# KiCad board access-controller.kicad_pcb
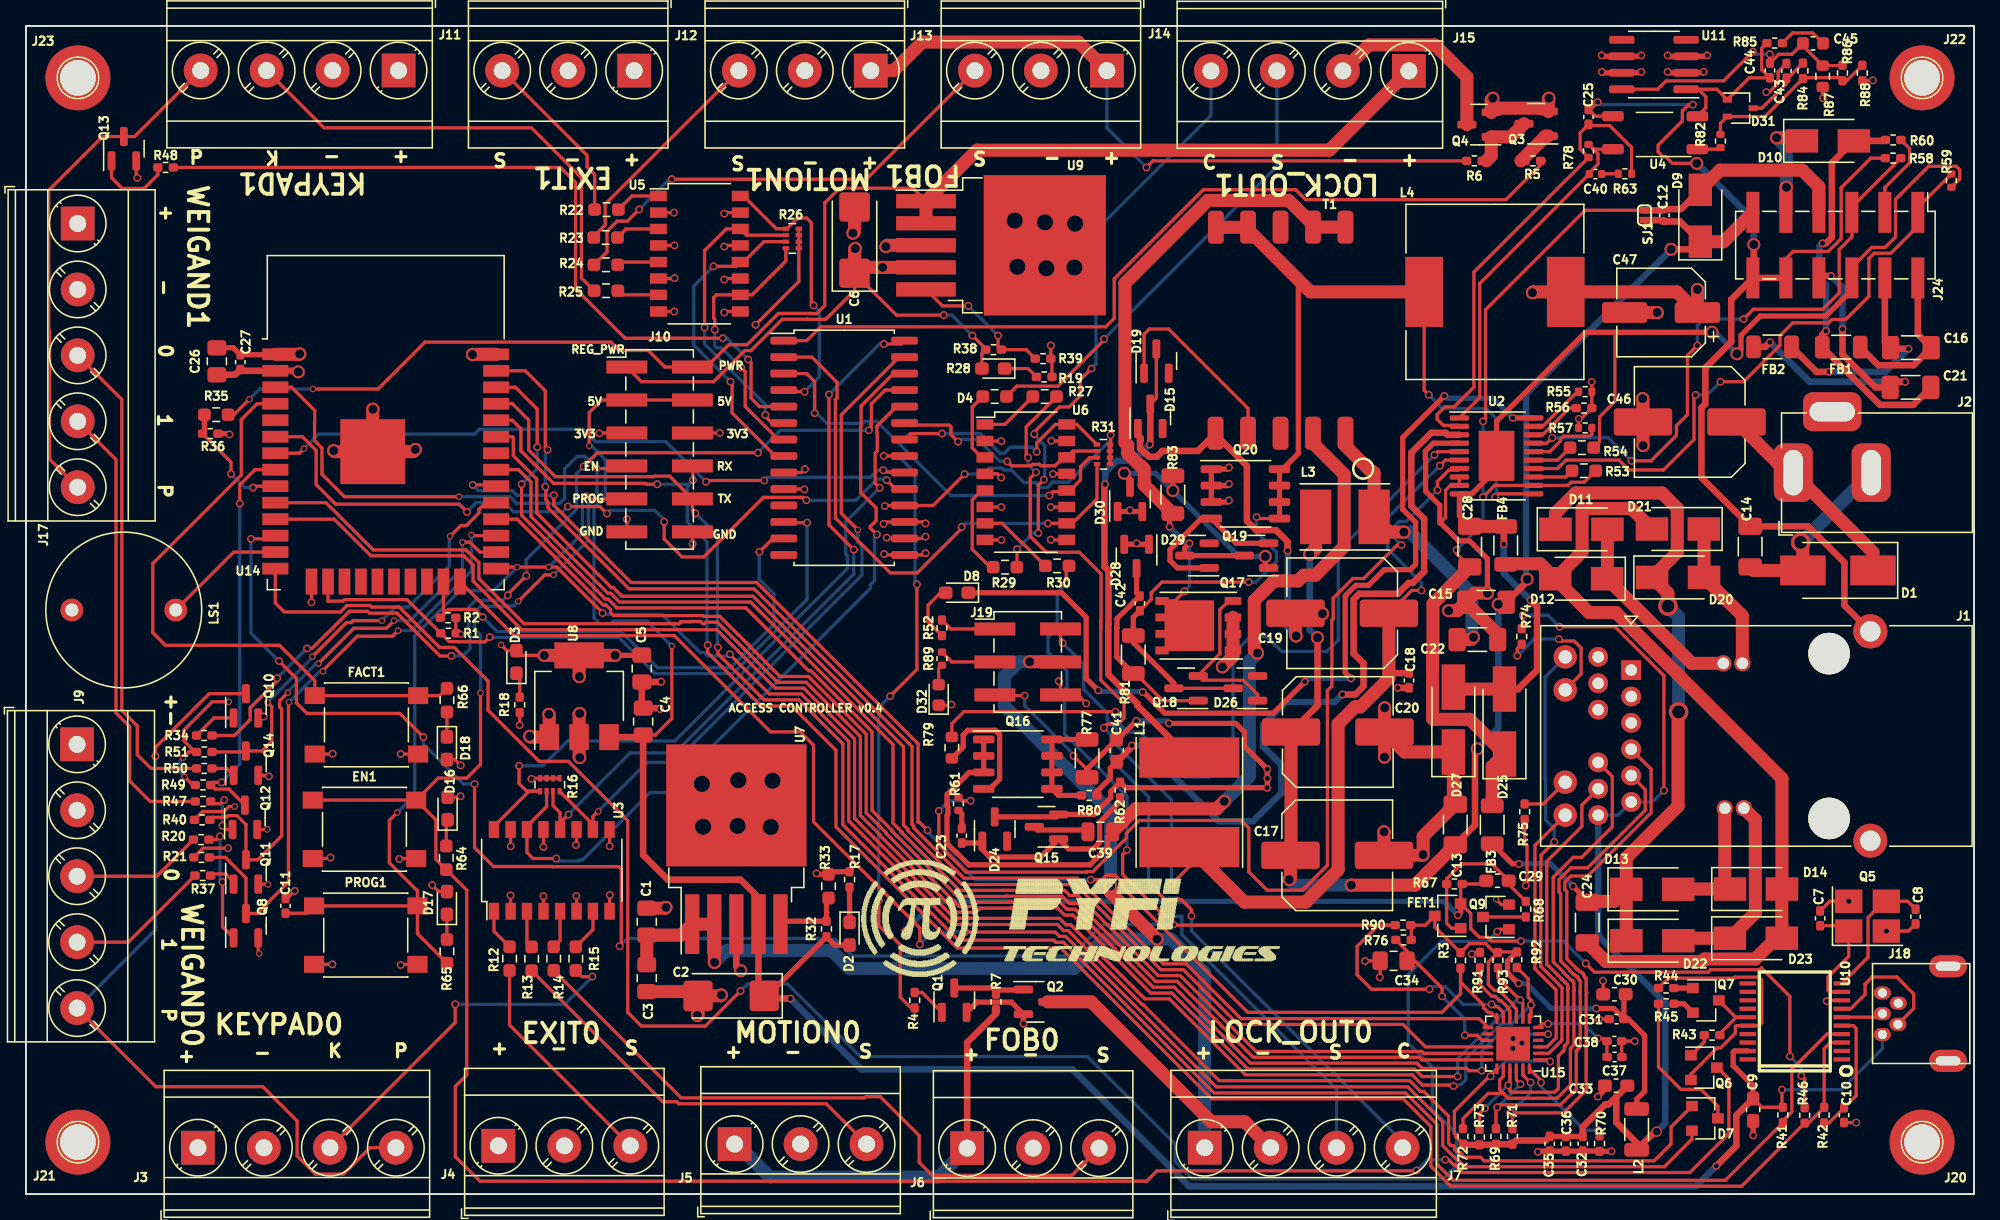
[diagram p0: board, top side]
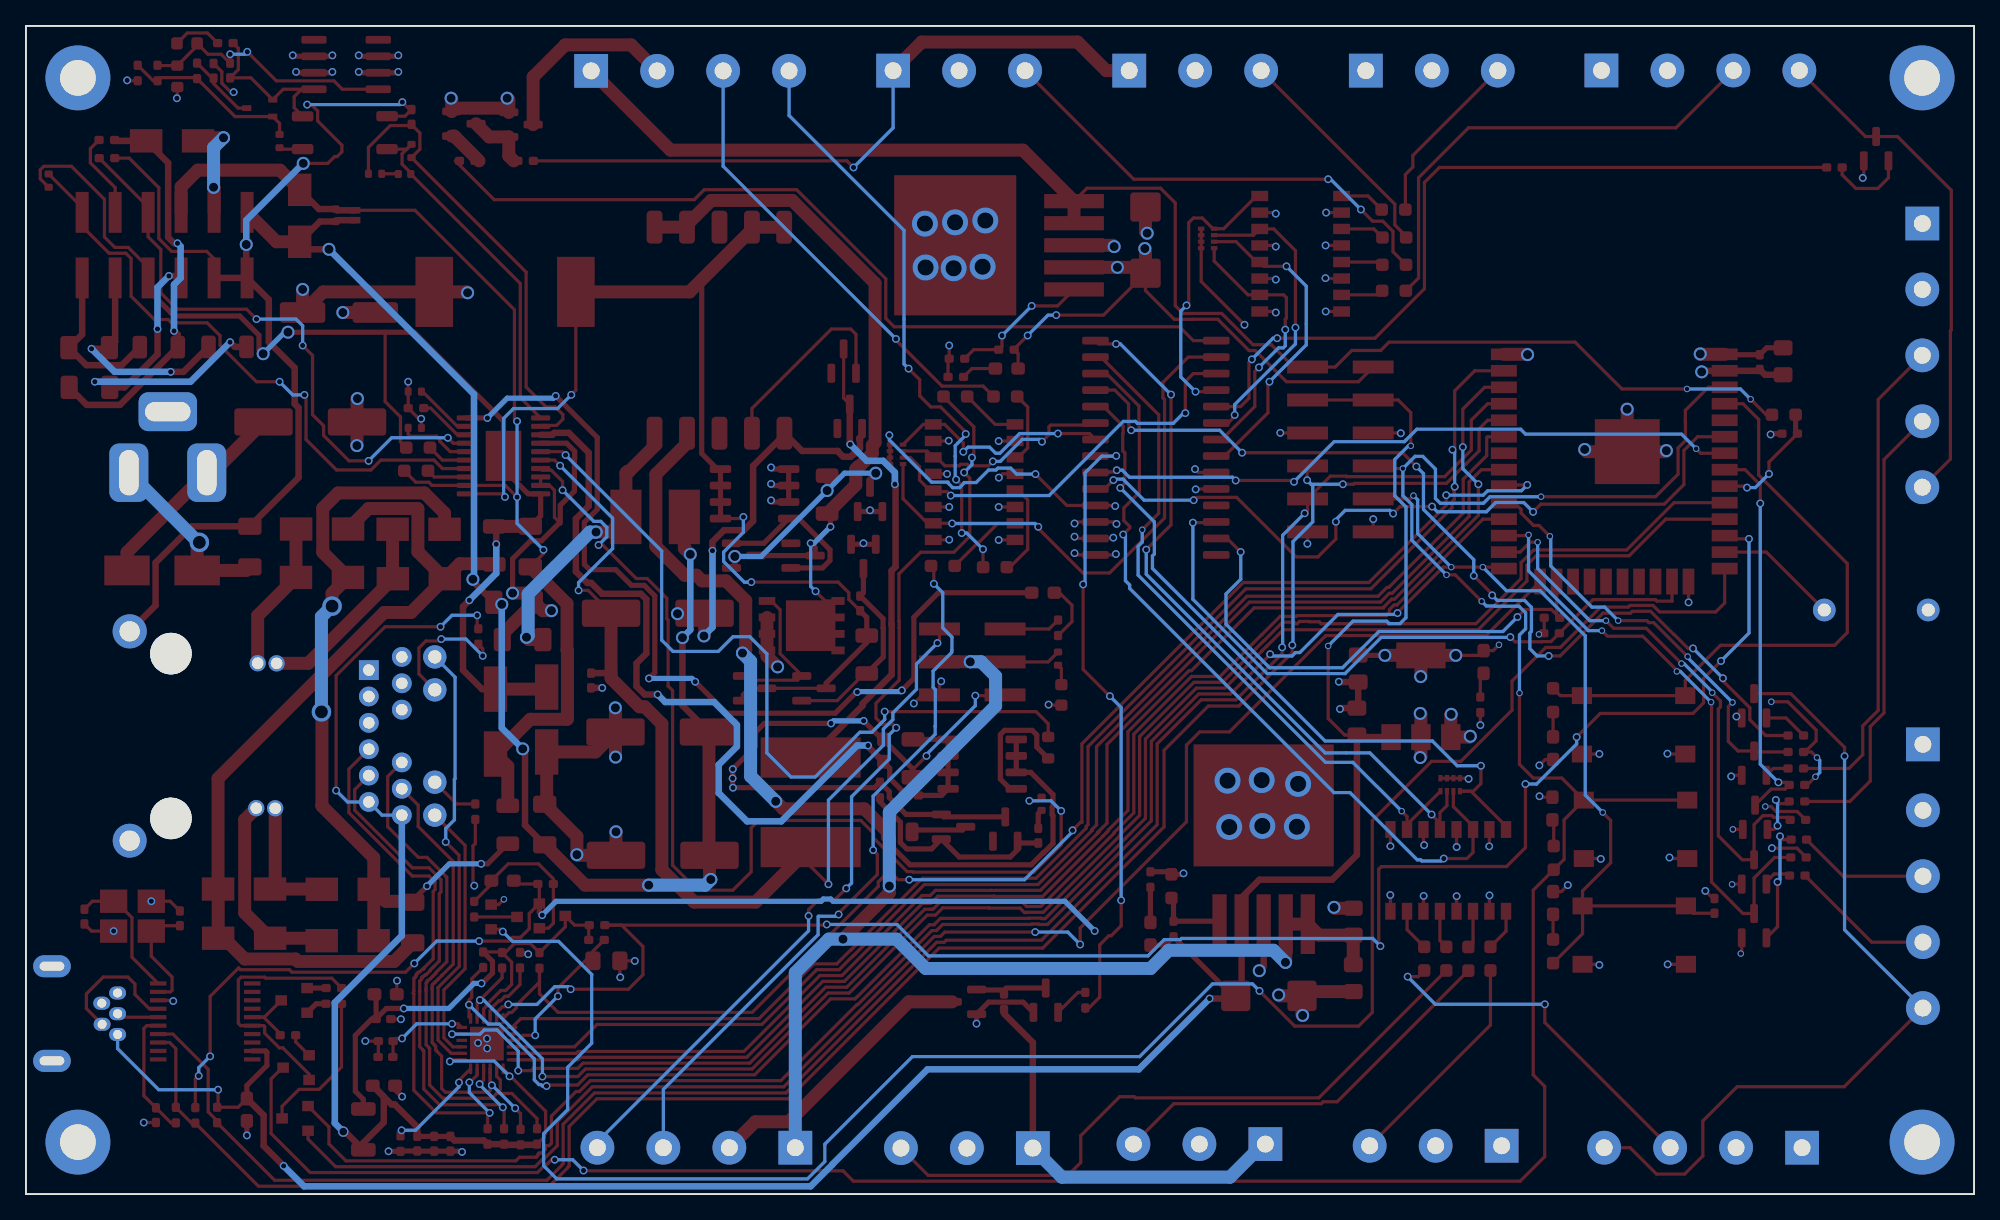
[diagram p1: board, bottom side, seen from below]

Outline 150 x 90 mm; copper layers: Top, In1.Cu (plane), In2.Cu (plane), Bottom. Coordinates in mm from the lower left corner of the outline.
Outline path: 0,90 0,0 150,0 150,90 0,90

## Placement (name value [footprint] x y rotation side)
C1  C_10uF  [C_0805_2012Metric_Pad1.18x1.45mm_HandSolder]  47.8 20.98 90 top
C2  C_10uF_Ta  [CP_EIA-6032-15_Kemet-U_Pad2.25x2.35mm_HandSolder]  54.3 15.27 180 top
C3  C_10uF  [C_0805_2012Metric_Pad1.18x1.45mm_HandSolder]  47.8 16.64 270 top
C4  C_10uF  [C_0805_2012Metric_Pad1.18x1.45mm_HandSolder]  47.52 36.4 90 top
C5  C_10uF  [C_0805_2012Metric_Pad1.18x1.45mm_HandSolder]  47.42 40.49 270 top
C6  C_10uF_Ta  [CP_EIA-6032-15_Kemet-U_Pad2.25x2.35mm_HandSolder]  63.8 73.5 90 top
C7  C_27pF_0402  [C_0402_1005Metric_Pad0.74x0.62mm_HandSolder]  138.15 21.24 90 top
C8  C_27pF_0402  [C_0402_1005Metric_Pad0.74x0.62mm_HandSolder]  145.5 21.38 270 top
C9  C_22uF  [C_0603_1608Metric_Pad1.08x0.95mm_HandSolder]  132.99 6.5 270 top
C10  C_100nF_0402  [C_0402_1005Metric_Pad0.74x0.62mm_HandSolder]  139.99 6.08 270 top
C11  C_1uF  [C_0402_1005Metric_Pad0.74x0.62mm_HandSolder]  19.98 22.2 90 top
C12  10nF  [C_0402_1005Metric]  126.16 75.41 90 top
C13  100nF  [C_1206_3216Metric_Pad1.33x1.80mm_HandSolder]  110.06 28.47 90 top
C14  C_2.2nF  [C_1206_3216Metric_Pad1.33x1.80mm_HandSolder]  132.76 49.89 270 top
C15  1uF  [C_1206_3216Metric_Pad1.33x1.80mm_HandSolder]  112.42 45.6 180 top
C16  1nF  [C_1206_3216Metric_Pad1.33x1.80mm_HandSolder]  145.14 65.21 180 top
C17  22uF  [C_Elec_8x10.2]  100.97 26.1 0 top
C18  C_1uF  [C_0402_1005Metric_Pad0.74x0.62mm_HandSolder]  106.49 39.57 270 top
C19  22uF  [C_Elec_8x10.2]  101.35 44.75 180 top
C20  22uF  [C_Elec_8x10.2]  101.01 35.6 0 top
C21  100nF  [C_1206_3216Metric_Pad1.33x1.80mm_HandSolder]  145.11 62.15 180 top
C22  1uF  [C_1206_3216Metric_Pad1.33x1.80mm_HandSolder]  111.76 42.72 0 top
C23  C_1uF  [C_0402_1005Metric_Pad0.74x0.62mm_HandSolder]  72.05 27.61 90 top
C24  C_1nF_1206  [C_1206_3216Metric_Pad1.33x1.80mm_HandSolder]  120.22 20.92 270 top
C25  1uF  [C_0402_1005Metric_Pad0.74x0.62mm_HandSolder]  120.31 82.99 90 top
C26  C_10uF  [C_0805_2012Metric_Pad1.18x1.45mm_HandSolder]  14.7 64.16 90 top
C27  C_1uF  [C_0402_1005Metric_Pad0.74x0.62mm_HandSolder]  16.5 64.1 90 top
C28  100nF  [C_1206_3216Metric_Pad1.33x1.80mm_HandSolder]  111.17 49.89 90 top
C29  C_22uF  [C_0603_1608Metric_Pad1.08x0.95mm_HandSolder]  113.3 24.14 0 top
C30  C_22uF  [C_0603_1608Metric_Pad1.08x0.95mm_HandSolder]  122.31 15.39 180 top
C31  C_100nF_0402  [C_0402_1005Metric_Pad0.74x0.62mm_HandSolder]  122.47 13.48 0 top
C32  C_100nF_0402  [C_0402_1005Metric_Pad0.74x0.62mm_HandSolder]  119.87 3.89 90 top
C33  C_22uF  [C_0603_1608Metric_Pad1.08x0.95mm_HandSolder]  122.44 8.35 180 top
C34  C_10uF  [C_0805_2012Metric_Pad1.18x1.45mm_HandSolder]  105.31 17.97 0 top
C35  C_100nF_0402  [C_0402_1005Metric_Pad0.74x0.62mm_HandSolder]  117.32 3.88 90 top
C36  C_100nF_0402  [C_0402_1005Metric_Pad0.74x0.62mm_HandSolder]  118.57 3.88 90 top
C37  C_2.2uF_0402  [C_0402_1005Metric_Pad0.74x0.62mm_HandSolder]  122.32 10.56 0 top
C38  C_100nF_0402  [C_0402_1005Metric_Pad0.74x0.62mm_HandSolder]  122.3 11.78 180 top
C39  C_47nF_250V  [C_0805_2012Metric]  82.72 27.91 0 top
C40  22nF  [C_0402_1005Metric]  120.85 78.59 180 top
C41  47pF  [C_0603_1608Metric_Pad1.08x0.95mm_HandSolder]  83.99 34.17 90 top
C42  100pF  [C_0402_1005Metric_Pad0.74x0.62mm_HandSolder]  85.77 45.51 90 top
C43  1uF  [C_0402_1005Metric_Pad0.74x0.62mm_HandSolder]  135.55 86.54 90 top
C44  10pF  [C_0402_1005Metric_Pad0.74x0.62mm_HandSolder]  134.28 86.57 90 top
C45  15nF  [C_0603_1608Metric]  137.6 88.66 180 top
C46  100uF  [CP_Elec_6.3x5.4]  125.9 67.92 180 top
C47  22uF  [C_Elec_8x10.2]  128.11 59.49 180 top
D1  D_Zener  [D_SMB_Handsoldering]  139.52 48.05 180 top
D2  LED_G  [LED_0603_1608Metric_Pad1.05x0.95mm_HandSolder]  63.42 20.06 270 top
D3  LED_G  [LED_0603_1608Metric_Pad1.05x0.95mm_HandSolder]  37.76 41 90 top
D4  LED_G  [LED_0603_1608Metric_Pad1.05x0.95mm_HandSolder]  74.48 63.6 180 top
D7  BAT54C  [SOT-23]  129.28 5.83 0 top
D8  LED_G  [LED_0603_1608Metric_Pad1.05x0.95mm_HandSolder]  71.69 46.33 180 top
D9  D_B1100  [D_SMA]  128.92 75.37 90 top
D10  D_B1100  [D_SMA]  138.75 81.15 0 top
D11  D_B1100  [D_SMA]  119.77 51.22 0 top
D12  D_B1100  [D_SMA]  119.75 47.41 180 top
D13  D_B1100  [D_SMA]  125.22 23.48 0 top
D14  D_B1100  [D_SMA]  133.21 23.5 0 top
D15  BAS16  [SOT-23#2]  86.57 59.92 90 top
D16  LED_G  [LED_0603_1608Metric_Pad1.05x0.95mm_HandSolder]  32.46 29.7 90 top
D17  LED_G  [LED_0603_1608Metric_Pad1.05x0.95mm_HandSolder]  32.41 22.43 90 top
D18  LED_G  [LED_0603_1608Metric_Pad1.05x0.95mm_HandSolder]  32.41 34.35 270 top
D19  BAS16  [SOT-23#2]  87.04 64.18 90 top
D20  D_B1100  [D_SMA]  127.21 47.51 0 top
D21  D_B1100  [D_SMA]  127.2 51.24 180 top
D22  D_B1100  [D_SMA]  125.23 19.52 0 top
D23  D_B1100  [D_SMA]  133.2 19.71 0 top
D24  BAS16  [SOT-23#2]  74.59 28.12 90 top
D25  D_SMAJ58A  [D_SMA_Handsoldering]  113.85 36.4 90 top
D26  BAS16  [SOT-23#2]  93.9 38.97 180 top
D27  D_SMAJ58A  [D_SMA_Handsoldering]  109.91 36.56 90 top
D28  LBZX84C  [SOT-23#2]  85.52 49.13 270 top
D29  BAS16  [SOT-23#2]  90.17 49.19 180 top
D30  LBZX84C  [SOT-23#2]  85.01 53.52 90 top
D31  BAV99  [SOT-323_SC-70]  132 83.67 0 top
D32  LED-R  [LED_0603_1608Metric]  70.28 38.46 90 top
EN1  SW_PUSH  [SW_SPST_PTS645]  26.06 28.1 0 top
FACT1  SW_PUSH  [SW_SPST_PTS645]  26.21 36.15 0 top
FB1  FB100  [R_1206_3216Metric]  139.77 65.25 0 top
FB2  FB100  [R_1206_3216Metric]  134.48 65.27 0 top
FB3  FB100  [R_1206_3216Metric]  112.9 28.46 270 top
FB4  FB100  [R_1206_3216Metric]  113.94 49.98 90 top
FET1  PFET  [SOT-23]  109.47 21.43 180 top
J1  -  [RJ45_JK0-0177NL]  128.8 35.3 0 top
J2  Barrel_Jack_OD5.5_ID2.5  [BarrelJack_OD5.5_ID2.5]  136.08 55.58 180 top
J3  Terminal_01x04  [TerminalBlock_Phoenix_MKDS-3-4-5.08_1x04_P5.08mm_Horizontal]  13.24 3.57 0 top
J4  Terminal_01x03  [TerminalBlock_Phoenix_MKDS-3-3-5.08_1x03_P5.08mm_Horizontal]  36.37 3.72 0 top
J5  Terminal_01x03  [TerminalBlock_Phoenix_MKDS-3-3-5.08_1x03_P5.08mm_Horizontal]  54.56 3.85 0 top
J6  Terminal_01x03  [TerminalBlock_Phoenix_MKDS-3-3-5.08_1x03_P5.08mm_Horizontal]  72.47 3.54 0 top
J7  Terminal_01x04  [TerminalBlock_Phoenix_MKDS-3-4-5.08_1x04_P5.08mm_Horizontal]  90.76 3.57 0 top
J9  Screw_Terminal_01x05  [TerminalBlock_Phoenix_MKDS-3-5-5.08_1x05_P5.08mm_Horizontal]  3.94 34.65 270 top
J10  Conn_02x06_Odd_Even  [PinHeader_2x06_P2.54mm_Vertical_SMD]  48.79 57.37 0 top
J11  Terminal_01x04  [TerminalBlock_Phoenix_MKDS-3-4-5.08_1x04_P5.08mm_Horizontal]  28.69 86.57 180 top
J12  Terminal_01x03  [TerminalBlock_Phoenix_MKDS-3-3-5.08_1x03_P5.08mm_Horizontal]  46.83 86.56 180 top
J13  Terminal_01x03  [TerminalBlock_Phoenix_MKDS-3-3-5.08_1x03_P5.08mm_Horizontal]  65.05 86.56 180 top
J14  Terminal_01x03  [TerminalBlock_Phoenix_MKDS-3-3-5.08_1x03_P5.08mm_Horizontal]  83.23 86.56 180 top
J15  Terminal_01x04  [TerminalBlock_Phoenix_MKDS-3-4-5.08_1x04_P5.08mm_Horizontal]  106.48 86.54 180 top
J17  Screw_Terminal_01x05  [TerminalBlock_Phoenix_MKDS-3-5-5.08_1x05_P5.08mm_Horizontal]  3.98 74.78 270 top
J18  USB_MINI_B  [USB-mini-B-0548190519]  148 17.55 180 top
J19  Conn_02x03_Odd_Even  [PinHeader_2x03_P2.54mm_Vertical_SMD]  77.13 41 0 top
J20  Conn_01x01_Female  [Mount_Hole]  146 4 0 top
J21  Conn_01x01_Female  [Mount_Hole]  4 4 0 top
J22  Conn_01x01_Female  [Mount_Hole]  146 86 0 top
J23  Conn_01x01_Female  [Mount_Hole]  4 86 0 top
J24  Conn_02x06_Odd_Even  [PinHeader_2x06_P2.54mm_Vertical_SMD]  139.32 73.11 270 top
L1  1mH  [L_Taiyo-Yuden_NR-80xx_HandSoldering]  89.58 30.18 90 top
L2  FB  [L_1206_3216Metric]  124.02 4.98 270 top
L3  3.3uH  [L_Taiyo-Yuden_NR-50xx_HandSoldering]  101.55 52.17 0 top
L4  22uH  [L_Wuerth_HCM-1350]  113.11 69.51 0 top
LOGO  -  [LOGO]  75.5 19.86 0 top
LS1  -  [S_YXDZ]  7.53 45 270 top
PROG1  SW_PUSH  [SW_SPST_PTS645]  26.16 19.95 0 top
Q1  Q_MMBT5551  [SOT-23#2]  71.48 14.94 90 top
Q2  Q_AO3400A  [SOT-23#2]  77.74 14.81 0 top
Q3  Q_MMBT5551  [SOT-23#2]  116.28 82.47 180 top
Q4  Q_AO3400A  [SOT-23#2]  111.89 82.4 180 top
Q5  Crystal_12Mhz  [Crystal_SMD_3225-4Pin_3.2x2.5mm_HandSoldering]  141.8 21.41 0 top
Q6  Q_SS8050  [SOT-23]  129.2 9.74 0 top
Q7  Q_SS8550  [SOT-23]  129.35 14.92 0 top
Q8  Q_MMBT5551  [SOT-23#2]  16.94 20.68 90 top
Q9  Q_LMUN2211LT1G  [SOT-23]  113.19 21.35 180 top
Q10  Q_MMBT5551  [SOT-23#2]  16.94 37.62 90 top
Q11  Q_MMBT5551  [SOT-23#2]  16.94 24.82 90 top
Q12  Q_MMBT5551  [SOT-23#2]  16.86 29.03 90 top
Q13  Q_MMBT5551  [SOT-23#2]  7.54 80.54 90 top
Q14  Q_MMBT5551  [SOT-23#2]  16.94 33.2 90 top
Q15  Q_SI2325DS  [SOT-23#2]  78.58 28.3 180 top
Q16  Q_SI4848DY  [SOP-8_3.9x4.9mm_P1.27mm]  76.37 33.12 0 top
Q17  SI7852DP  [PowerPAK_SO-8_Single]  90.27 43.79 180 top
Q18  MMBTA06  [SOT-23#2]  89.33 38.97 180 top
Q19  MMBTA06  [SOT-23#2]  94.74 49.19 180 top
Q20  SI4850EY  [SOP-8_3.9x4.9mm_P1.27mm]  93.9 53.95 0 top
R1  R_10K_0402  [R_0402_1005Metric_Pad0.72x0.64mm_HandSolder]  32.53 43.21 0 top
R2  R_10K_0402  [R_0402_1005Metric_Pad0.72x0.64mm_HandSolder]  32.5 44.4 0 top
R3  2.2K  [R_0402_1005Metric_Pad0.72x0.64mm_HandSolder]  110.46 18 270 top
R4  R_10K_0402  [R_0402_1005Metric_Pad0.72x0.64mm_HandSolder]  68.43 14.94 270 top
R5  R_10K_0402  [R_0402_1005Metric_Pad0.72x0.64mm_HandSolder]  116.03 79.61 0 top
R6  R_10K_0402  [R_0402_1005Metric_Pad0.72x0.64mm_HandSolder]  111.53 79.61 180 top
R7  R_10K_0402  [R_0402_1005Metric_Pad0.72x0.64mm_HandSolder]  74.69 14.81 270 top
R12  R_1K  [R_0603_1608Metric_Pad0.98x0.95mm_HandSolder]  37.24 18.14 270 top
R13  R_1K  [R_0603_1608Metric_Pad0.98x0.95mm_HandSolder]  38.94 18.13 270 top
R14  R_1K  [R_0603_1608Metric_Pad0.98x0.95mm_HandSolder]  40.64 18.14 270 top
R15  R_1K  [R_0603_1608Metric_Pad0.98x0.95mm_HandSolder]  42.34 18.14 270 top
R16  R_10K_QUAD  [R_Array_Concave_4x0402]  40.34 31.54 90 top
R17  R_10K_0402  [R_0402_1005Metric_Pad0.72x0.64mm_HandSolder]  63.42 24.23 270 top
R18  R_10K_0402  [R_0402_1005Metric_Pad0.72x0.64mm_HandSolder]  38.02 37.7 90 top
R19  R_10K_0402  [R_0402_1005Metric_Pad0.72x0.64mm_HandSolder]  78.4 62.96 180 top
R20  R_1K_0402  [R_0402_1005Metric_Pad0.72x0.64mm_HandSolder]  13.49 27.31 180 top
R21  R_1K_0402  [R_0402_1005Metric_Pad0.72x0.64mm_HandSolder]  13.52 25.94 180 top
R22  R_1K  [R_0603_1608Metric_Pad0.98x0.95mm_HandSolder]  44.7 75.85 180 top
R23  R_1K  [R_0603_1608Metric_Pad0.98x0.95mm_HandSolder]  44.64 73.7 180 top
R24  R_1K  [R_0603_1608Metric_Pad0.98x0.95mm_HandSolder]  44.65 71.6 180 top
R25  R_1K  [R_0603_1608Metric_Pad0.98x0.95mm_HandSolder]  44.66 69.6 180 top
R26  R_10K_QUAD  [R_Array_Concave_4x0402]  59.01 73.63 0 top
R27  R_1K  [R_0603_1608Metric_Pad0.98x0.95mm_HandSolder]  78.44 61.45 0 top
R28  R_1K  [R_0603_1608Metric_Pad0.98x0.95mm_HandSolder]  74.59 61.45 0 top
R29  R_1K  [R_0603_1608Metric_Pad0.98x0.95mm_HandSolder]  75.39 48.3 0 top
R30  R_1K  [R_0603_1608Metric_Pad0.98x0.95mm_HandSolder]  79.4 48.4 0 top
R31  R_10K_QUAD  [R_Array_Concave_4x0402]  82.97 57 0 top
R32  R_20K  [R_0402_1005Metric_Pad0.72x0.64mm_HandSolder]  61.64 20.42 90 top
R33  R_6.8K  [R_0603_1608Metric_Pad0.98x0.95mm_HandSolder]  61.8 23.72 90 top
R34  R_100  [R_0402_1005Metric_Pad0.72x0.64mm_HandSolder]  13.72 35.33 180 top
R35  R_70K  [R_0603_1608Metric_Pad0.98x0.95mm_HandSolder]  14.65 60.05 0 top
R36  R_10K_0402  [R_0402_1005Metric_Pad0.72x0.64mm_HandSolder]  14.19 58.59 180 top
R37  R_1K_0402  [R_0402_1005Metric_Pad0.72x0.64mm_HandSolder]  13.61 24.54 180 top
R38  R_20K  [R_0402_1005Metric_Pad0.72x0.64mm_HandSolder]  74.5 65.06 0 top
R39  R_2.2K  [R_0402_1005Metric_Pad0.72x0.64mm_HandSolder]  78.31 64.37 0 top
R40  R_1K_0402  [R_0402_1005Metric_Pad0.72x0.64mm_HandSolder]  13.56 28.83 180 top
R41  R_10K_0402  [R_0402_1005Metric_Pad0.72x0.64mm_HandSolder]  135.28 6.09 270 top
R42  R_10K_0402  [R_0402_1005Metric_Pad0.72x0.64mm_HandSolder]  138.46 6.08 90 top
R43  R_1K_0402  [R_0402_1005Metric_Pad0.72x0.64mm_HandSolder]  129.83 12.24 0 top
R44  R_1K_0402  [R_0402_1005Metric_Pad0.72x0.64mm_HandSolder]  126.29 15.87 180 top
R45  R_220_0402  [R_0402_1005Metric_Pad0.72x0.64mm_HandSolder]  126.3 14.66 0 top
R46  R_10K_0402  [R_0402_1005Metric_Pad0.72x0.64mm_HandSolder]  136.96 6.06 90 top
R47  R_1K_0402  [R_0402_1005Metric_Pad0.72x0.64mm_HandSolder]  13.63 30.25 180 top
R48  R_100  [R_0402_1005Metric_Pad0.72x0.64mm_HandSolder]  10.75 79.1 180 top
R49  R_1K_0402  [R_0402_1005Metric_Pad0.72x0.64mm_HandSolder]  13.63 31.52 180 top
R50  R_1K_0402  [R_0402_1005Metric_Pad0.72x0.64mm_HandSolder]  13.72 32.79 180 top
R51  R_1K_0402  [R_0402_1005Metric_Pad0.72x0.64mm_HandSolder]  13.72 34.06 180 top
R52  6K49  [R_0402_1005Metric_Pad0.72x0.64mm_HandSolder]  70.53 43.63 90 top
R53  R_24.9K  [R_0603_1608Metric_Pad0.98x0.95mm_HandSolder]  119.96 55.73 180 top
R54  R_63.4  [R_0603_1608Metric_Pad0.98x0.95mm_HandSolder]  119.81 57.51 180 top
R55  R_69.8K  [R_0402_1005Metric]  120.06 61.83 0 top
R56  R_80.6K  [R_0402_1005Metric_Pad0.72x0.64mm_HandSolder]  119.97 60.56 180 top
R57  R_63.4K  [R_0402_1005Metric]  120.06 59.03 180 top
R58  R_8.87K  [R_0402_1005Metric_Pad0.72x0.64mm_HandSolder]  143.76 79.82 0 top
R59  4.02K  [R_0402_1005Metric]  148.25 78.08 90 top
R60  100K  [R_0402_1005Metric_Pad0.72x0.64mm_HandSolder]  143.77 81.22 180 top
R61  0  [R_0402_1005Metric]  71.8 30.07 90 top
R62  R_10K  [R_0402_1005Metric_Pad0.72x0.64mm_HandSolder]  84.25 31.13 270 top
R63  348  [R_0402_1005Metric]  123.12 78.61 180 top
R64  R_10K  [R_0603_1608Metric_Pad0.98x0.95mm_HandSolder]  32.36 25.9 90 top
R65  R_10K  [R_0603_1608Metric_Pad0.98x0.95mm_HandSolder]  32.41 18.7 90 top
R66  R_10K  [R_0603_1608Metric_Pad0.98x0.95mm_HandSolder]  32.41 38.05 270 top
R67  R_10K_0402  [R_0402_1005Metric_Pad0.72x0.64mm_HandSolder]  109.99 23.89 0 top
R68  R_1K_0402  [R_0402_1005Metric_Pad0.72x0.64mm_HandSolder]  115.49 21.95 270 top
R69  R_49.9_0402  [R_0402_1005Metric_Pad0.72x0.64mm_HandSolder]  113.19 4.44 90 top
R70  R_12.1K_0402  [R_0402_1005Metric_Pad0.72x0.64mm_HandSolder]  121.16 3.89 270 top
R71  R_49.9_0402  [R_0402_1005Metric_Pad0.72x0.64mm_HandSolder]  114.46 4.44 90 top
R72  R_49.9_0402  [R_0402_1005Metric_Pad0.72x0.64mm_HandSolder]  110.65 4.44 90 top
R73  R_49.9_0402  [R_0402_1005Metric_Pad0.72x0.64mm_HandSolder]  111.92 4.39 90 top
R74  R_2K2_0402  [R_0402_1005Metric_Pad0.72x0.64mm_HandSolder]  115.17 42.96 270 top
R75  R_2K2_0402  [R_0402_1005Metric_Pad0.72x0.64mm_HandSolder]  115.4 29.46 270 top
R76  R_10K_0402  [R_0402_1005Metric_Pad0.72x0.64mm_HandSolder]  106.07 19.58 0 top
R77  0.12  [R_1206_3216Metric]  81.71 33.57 270 top
R78  1.5K  [R_0402_1005Metric]  120.31 80.37 90 top
R79  10  [R_0603_1608Metric]  71.29 34.39 90 top
R80  1K  [R_0402_1005Metric_Pad0.72x0.64mm_HandSolder]  81.87 30.72 180 top
R81  R_2K  [R_1206_3216Metric]  85.26 41.57 90 top
R82  R_2.49K  [R_0402_1005Metric]  130.47 81.13 270 top
R83  2K  [R_1206_3216Metric]  88.31 53.89 270 top
R84  10K  [R_0402_1005Metric_Pad0.72x0.64mm_HandSolder]  136.82 86.54 270 top
R85  10K  [R_0402_1005Metric_Pad0.72x0.64mm_HandSolder]  134.65 88.68 180 top
R86  41.2K  [R_0402_1005Metric_Pad0.72x0.64mm_HandSolder]  139.87 86.37 90 top
R87  11K  [R_0603_1608Metric]  138.35 86.12 270 top
R88  49.9  [R_0402_1005Metric_Pad0.72x0.64mm_HandSolder]  141.4 86.37 270 top
R89  2.87K  [R_0402_1005Metric]  70.53 41.25 90 top
R90  2.2K  [R_0402_1005Metric_Pad0.72x0.64mm_HandSolder]  106.03 20.72 0 top
R91  2.2K  [R_0402_1005Metric_Pad0.72x0.64mm_HandSolder]  111.96 18.02 270 top
R92  ~  [R_0402_1005Metric_Pad0.72x0.64mm_HandSolder]  114.8 18.05 90 top
R93  2.2K  [R_0402_1005Metric_Pad0.72x0.64mm_HandSolder]  113.34 18.01 270 top
SJ1  SJ  [SJUMP]  124.63 75.41 270 top
T1  -  [T_PA2649NL]  96.44 66.47 0 top
U1  MCP23017_SS  [SOIC-28W_7.5x17.9mm_P1.27mm]  63 57.5 0 top
U2  TPS23754PWP-1  [HTSSOP-20-1EP_4.4x6.5mm_P0.65mm_EP2.74x3.86mm]  113.23 56.88 0 top
U3  TLP291-4  [SOP-16_4.4x10.4mm_P1.27mm]  40.49 24.94 90 top
U4  OPTO-PC817  [Opto_PC817X2CSP9F]  125.59 82.09 180 top
U5  TLP291-4  [SOP-16_4.4x10.4mm_P1.27mm]  51.85 72.45 0 top
U6  TLP291-4  [SOP-16_4.4x10.4mm_P1.27mm]  76.99 54.85 0 top
U7  MIC29302WU  [TO-263-5_TabPin3]  54.7 26.57 90 top
U8  REG_AMS1117-3.3  [SOT-223-3_TabPin2]  42.59 38.36 90 top
U9  MIC29302WU  [TO-263-5_TabPin3]  75.08 73.1 0 top
U10  CH340T(SSOP20W)  [SSOP-20W]  136.2 13.3 90 top
U11  TL431  [SOIC-8_3.9x4.9mm_P1.27mm]  125.35 87.03 180 top
U14  -  [ESP32-WROOM-32]  27.7 56.44 0 top
U15  LAN8720A  [QFN-24-1EP_4x4mm_P0.5mm_EP2.6x2.6mm]  114.51 11.59 180 top

## Library data of the parts
C1 C3-C5 C26 C34 = -: LCSC: C15850; Part Number: CL21A106KAYNNNE
C2 C6 = -: LCSC: C116748; Part Number: T491C106K025AT
C7 C8 = -: LCSC: C1557; Part Number: 0402CG270J500NTN
C9 C29 C30 C33 = -: LCSC: C59461; Part Number: CL10A226MQ8NRNC
C10 C31 C32 C35 C36 C38 = -: LCSC: C1525; Part Number: CL05B104KO5NNNC
C11 C18 C23 C25 C27 C43 = -: LCSC: C52923; Part Number: CL05A105KA5NQNC
C12 = -: LCSC: C15195; Part Number: CL05B103KB5NNNC
C13 C21 C28 = -: LCSC: C1945; Part Number: CL31B104KCFNNNE
C14 = -: LCSC: C41018; Part Number: 1206B222K202NT
C15 C22 = -: LCSC: C13832; Part Number: CL31B105KCHNNNE
C16 C24 = -: LCSC: C23631; Part Number: CC1206KKX7RDBB102
C17 C19 C20 C47 = -: LCSC: C90264; Part Number: RVT2A220M0810
C37 = -: LCSC: C12530; Part Number: CL05A225MQ5NSNC
C39 = -: LCSC: C338058; Part Number: C2012X7T2E473KT000N
C40 = -: LCSC: C21122; Part Number: CL10B223KB8NNNC
C41 = -: LCSC: C1567; Part Number: 0402CG470J500NT
C42 = -: LCSC: C1546; Part Number: 0402CG101J500NT
C44 = -: LCSC: C32949; Part Number: CL05C100JB5NNNC
C45 = -: LCSC: C1596; Part Number: 0603B153K500NT
C46 = -: LCSC: C267461; Part Number: RT1C101M0605
D1 = -: LCSC: C8835; Part Number: SMBJ26CA
D2-D4 D8 D16-D18 = -: LCSC: C72041; Part Number: 19-217/BHC-ZL1M2RY/3T
D7 = -: LCSC: C49991; Part Number: LBAT54CLT1G
D9-D14 D20-D23 = -: LCSC: C110106; Part Number: B1100-13-F
D15 D19 D24 D26 D29 = -: LCSC: C78887; Part Number: LBAS16LT1G
D25 D27 = -: LCSC: C10762; Part Number: SMAJ58A
D28 D30 = -: LCSC: C12773; Part Number: LBZX84C12LT1G
D31 = -: LCSC: C8662; Part Number: BAV99W,115
D32 = -: Part Number: LS Q976-NR-1
EN1 FACT1 PROG1 = -: LCSC: C127509; Part Number: K2-1102SP-C4SC-04
FB1-FB4 = -: LCSC: C91466; Part Number: CBW321609U101T
FET1 = -: LCSC: C213159; Part Number: WPM2015-3/TR
J1 = -: Part Number: JK0-0177NL
J2 = -: Part Number: PJ-202A; Website: https://www.digikey.com/product-detail/en/cui-inc/PJ-202B/CP-202B-ND/252008
J3 J7 J11 J15 = -: Part Number: 2EDG5.08
J18 = -: Part Number: 0548190519; Website: https://www.digikey.com/product-detail/en/molex/0548190519/WM17115-ND/773802
L1 = -: LCSC: C341088; Part Number: YNR8040-102M
L2 = -: LCSC: C316417; Part Number: PZ3216U300-6R0TF
L3 = -: LCSC: C341044; Part Number: YNR6020-3R3N
L4 = -: LCSC: C693896; Part Number: YSLF1275-220M
LS1 = -: Part Number: YXDZ
Q1 Q3 Q8 Q10-Q14 = -: LCSC: C2145; Part Number: MMBT5551
Q2 Q4 = -: LCSC: C20917; Part Number: AO3400A
Q5 = -: LCSC: C9002; Part Number: X322512MSB4SI
Q6 = -: LCSC: C2150; Part Number: SS8050
Q7 = -: LCSC: C8542; Part Number: SS8550
Q9 = -: LCSC: C12775; Part Number: LMUN2211LT1G
Q15 = -: LCSC: C141514; Part Number: SI2325DS-T1-E3
Q16 = -: LCSC: C500639; Part Number: SI4848DY-T1-GE3
Q17 = -: LCSC: C141509; Part Number: SI7852DP-T1-E3
Q18 Q19 = -: LCSC: C77760; Part Number: MMBTA06LT1G
Q20 = -: LCSC: C469335; Part Number: SI4850EY-T1-GE3
R1 R2 R4-R7 R17-R19 R36 R41 R42 R46 R62 R67 R76 R84 R85 = -: LCSC: C25744; Part Number: 0402WGF1002TCE
R3 R39 R90-R93 = -: LCSC: C4190
R12-R15 R22-R25 R27-R30 = -: LCSC: C21190; Part Number: ERJ-3GEYJ102V
R16 R26 R31 = -: LCSC: C25725; Part Number: 4D02WGJ0103TCE
R20 R21 R37 R40 R43 R44 R47 R49-R51 R68 R80 = -: LCSC: C11702; Part Number: 0402WGF1001TCE
R32 R38 = -: LCSC: C25765; Part Number: 0402WGF2002TCE
R33 = -: LCSC: C23212; Part Number: 0603WAF6801T5E
R34 R48 = -: LCSC: C25076; Part Number: 0402WGF1000TCE
R35 = -: LCSC: C23178; Part Number: 0603WAF4703T5E
R45 = -: LCSC: C25091; Part Number: 0402WGF2200TCE
R52 = -: LCSC: C25916; Part Number: 0402WGF1002TCE
R53 = -: LCSC: C25962; Part Number: 0603WAF2492T5E
R54 = -: LCSC: C23223; Part Number: 0603WAF634JT5E
R55 = -: LCSC: C227195; Part Number: AC0402FR-0769K8L
R56 = -: LCSC: C25921; Part Number: 0402WGF8062TCE
R57 = -: LCSC: C137949; Part Number: RC0402FR-0763K4L
R58 = -: LCSC: C36953; Part Number: 0402WGF8871TCE
R59 = -: LCSC: C227105; Part Number: AC0402FR-074K02L
R60 = -: LCSC: C25741; Part Number: 0402WGF1003TCE
R61 = -: LCSC: C17168; Part Number: 0402WGF0000TCE
R63 R78 R82 = -: LCSC: C25867; Part Number: 0402WGF1501TCE
R64-R66 = -: LCSC: C25804; Part Number: 0603WAF1002T5E
R69 R71-R73 R88 = -: LCSC: C25120; Part Number: 0402WGF499JTCE
R70 = -: LCSC: C25852; Part Number: 0402WGF1212TCE